# KiCad board gateway-module.kicad_pcb
title: Communications Module; date: 2017-01-31; rev: 1.0; company: Institute IRNAS Rače
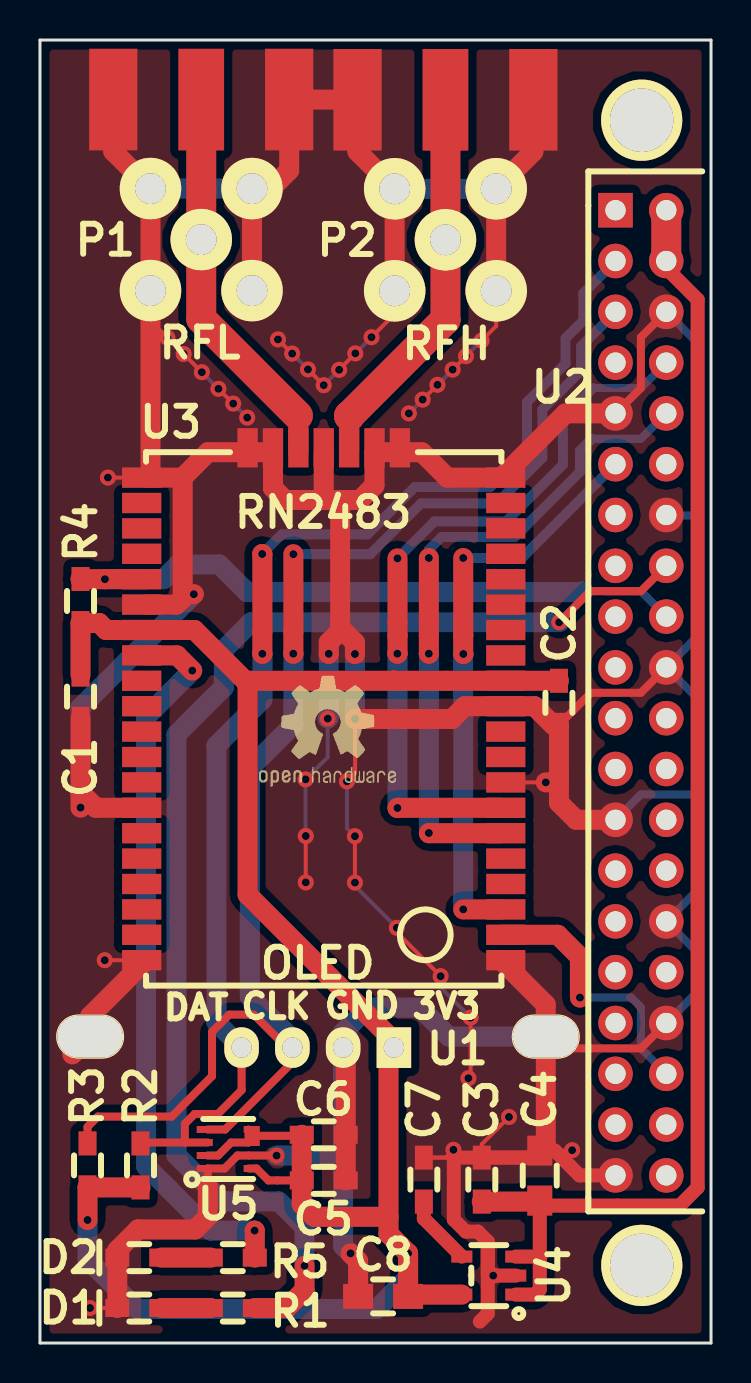
[diagram p0: board, top side]
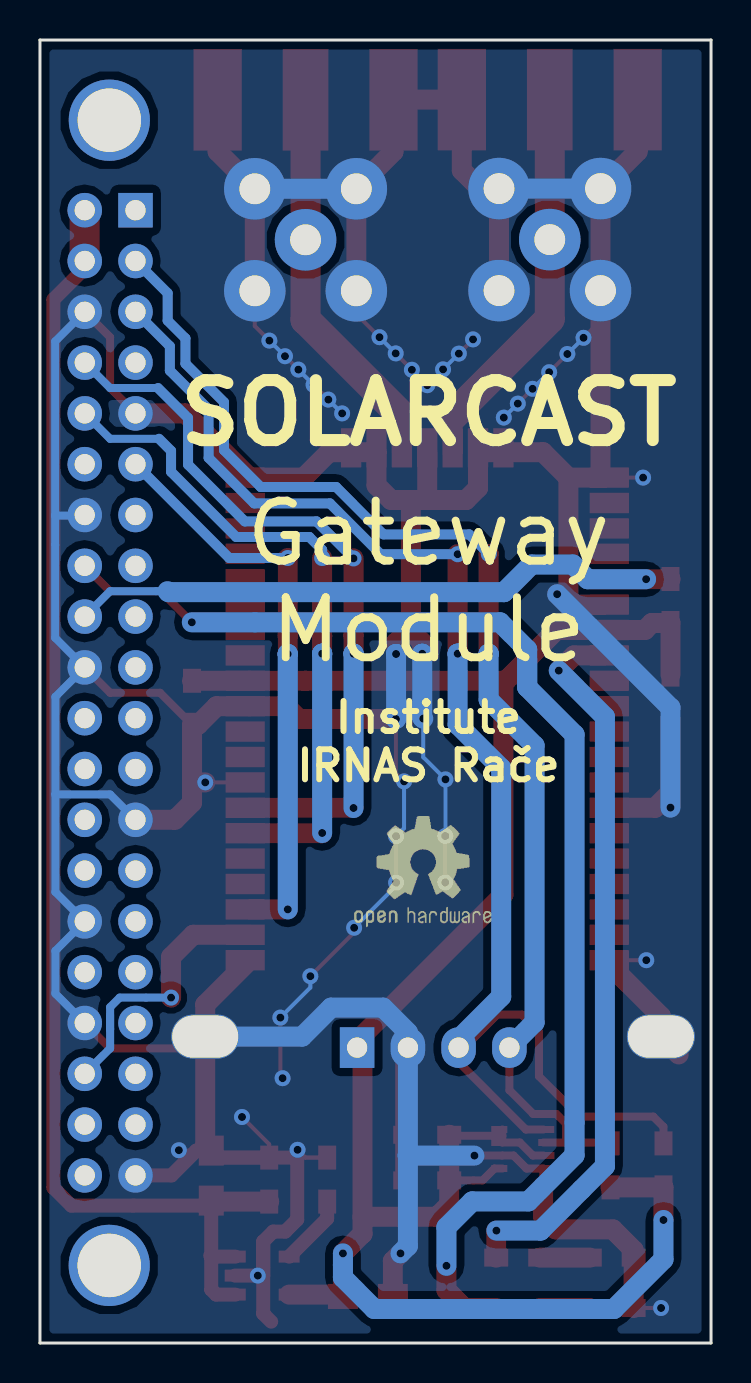
[diagram p1: board, bottom side, seen from below]

Outline 33.58 x 65.15 mm; copper layers: Top, Bottom. Coordinates in mm from the lower left corner of the outline.
Outline path: 0,65.15 33.58,65.15 33.58,0 0,0 0,65.15

## Placement (name value [footprint] x y rotation side)
C1  100nF  [0603_HandSoldering]  2.03 32.32 270 top
C2  100nF  [0603_HandSoldering]  25.97 32.01 270 top
C3  100nF  [0603_HandSoldering]  22.11 8.17 90 top
C4  10uF  [0805_HandSoldering]  25.01 8.37 90 top
C5  100nF  [0603_HandSoldering]  14.2 8.13 180 top
C6  100nF  [0603_HandSoldering]  14.2 10.41 180 top
C7  10nF  [0603_HandSoldering]  19.21 8.17 90 top
C8  10uF  [0805_HandSoldering]  17.17 2.33 180 top
D1  LED  [LED_0603_HandSoldering]  4.97 1.75 0 top
D2  LED  [LED_0603_HandSoldering]  4.97 4.27 0 top
G***  LOGO  [OSHWLOGO0.3IN]  10.58 34.3 0 top
G***#2  LOGO  [OSHWLOGO0.3IN]  18.23 27.29 180 bottom
P1  SMA  [SMA_coax]  8.07 64.67 0 top
P2  SMA  [SMA_coax]  20.29 64.66 0 top
R1  1K  [0603_HandSoldering]  9.65 1.75 0 top
R2  10K  [0603_HandSoldering]  5.03 8.88 90 top
R3  10K  [0603_HandSoldering]  2.38 8.88 90 top
R4  10K  [0603_HandSoldering]  2.03 37.1 90 top
R5  1K  [0603_HandSoldering]  9.65 4.27 0 top
U1  small_i2c_oled  [Small_I2C_OLED]  13.91 13.17 180 top
U2  -  [RaspberryPi]  31.34 8.38 0 top
U3  -  [RN2483]  5.31 17.87 0 top
U4  -  [TPS79133]  23.81 3.37 90 top
U5  -  [BME280]  10.67 10.95 180 top

## Footprints (pads in the part's own frame, mm; a bottom-side part is the same pattern mirrored in y, then rotated)
0603_HandSoldering
  rect 1.2x0.9 smd: 1(-1.1,0) 2(1.1,0)
0805_HandSoldering
  rect 1.5x1.25 smd: 1(-1.25,0) 2(1.25,0)
BME280
  rect 0.8x0.35 smd: 1(2.275,2.225) 2(2.275,1.575) 3(2.275,0.925) 4(2.275,0.275) 5(0.225,0.275) 6(0.225,0.925) 7(0.225,1.575) 8(0.225,2.225)
LED_0603_HandSoldering
  rect 1.2x0.9 smd: 1(-1.1,0) 2(1.1,0)
RaspberryPi
  round 4.064 hole 3.175: (-1.23,52.76) (-1.225,-4.5)
  rect 1.727x1.727 hole 1.016: 1(-2.54,48.26)
  oval 1.727x1.727 hole 1.016: 2(0,48.26) 3(-2.54,45.72) 4(0,45.72) 5(-2.54,43.18) 6(0,43.18) 7(-2.54,40.64) 8(0,40.64) 9(-2.54,38.1) 10(0,38.1) 11(-2.54,35.56) 12(0,35.56) 13(-2.54,33.02) 14(0,33.02) 15(-2.54,30.48) 16(0,30.48) 17(-2.54,27.94) 18(0,27.94) 19(-2.54,25.4) 20(0,25.4) 21(-2.54,22.86) 22(0,22.86) 23(-2.54,20.32) 24(0,20.32) 25(-2.54,17.78) 26(0,17.78) 27(-2.54,15.24) 28(0,15.24) 29(-2.54,12.7) 30(0,12.7) 31(-2.54,10.16) 32(0,10.16) 33(-2.54,7.62) 34(0,7.62) 35(-2.54,5.08) 36(0,5.08) 37(-2.54,2.54) 38(0,2.54) 39(-2.54,0) 40(0,0)
RN2483
  rect 1.962x1.016 smd: 1(17.78,1.27) 2(17.78,2.54) 3(17.78,3.81) 4(17.78,5.08) 5(17.78,6.35) 6(17.78,7.62) 7(17.78,8.89) 8(17.78,10.16) 9(17.78,11.43) 10(17.78,12.7) 11(17.78,13.97) 12(17.78,15.24) 13(17.78,16.51) 14(17.78,17.78) 15(17.78,19.05) 16(17.78,20.32) 17(17.78,21.59) 18(17.78,22.86) 19(17.78,24.13) 20(17.78,25.4) 28(0,25.4) 29(0,24.13) 30(0,22.86) 31(0,21.59) 32(0,20.32) 33(0,19.05) 34(0,17.78) 35(0,16.51) 36(0,15.24) 37(0,13.97) 38(0,12.7) 39(0,11.43) 40(0,10.16) 41(0,8.89) 42(0,7.62) 43(0,6.35) 44(0,5.08) 45(0,3.81) 46(0,2.54) 47(0,1.27)
  rect 1.016x1.962 smd: 21(12.7,26.67) 22(11.43,26.67) 23(10.16,26.67) 24(8.89,26.67) 25(7.62,26.67) 26(6.35,26.67) 27(5.08,26.67)
SMA_coax
  rect 2.286x5.08 smd: 1(0,-2.5)
  round 3.08 hole 1.54: 1(0,-9.5) 2(-2.54,-6.95) 2(-2.54,-12.05) 2(2.54,-6.95) 2(2.54,-12.05)
  rect 2.413x5.08 smd: 2(-4.4,-2.5) 2(4.4,-2.5)
Small_I2C_OLED
  rect 1.727x2.032 hole 1.016: 1(-3.8,-1.6)
  oval 3.4x2.2 hole 3.3x2.1: 2(-11.4,-2.15) 2(11.4,-2.15)
  oval 1.727x2.032 hole 1.016: 2(-1.26,-1.6) 3(1.28,-1.6) 4(3.82,-1.6)
TPS79133
  rect 0.6x1.05 smd: 1(-0.95,0) 2(0,0) 3(0.95,0) 4(0.95,2.7) 5(-0.95,2.7)

## Nets
+3V3: C1.1 C2.1 C5.2 C6.2 C8.1 R2.1 R3.1 R4.1 U1.1 U3.12 U3.34 U4.5 U5.2 U5.5 U5.6 U5.8
+5V: C3.1 C4.1 U2.2 U2.4 U4.1 U4.3
GND: C1.2 C2.2 C3.2 C4.2 C5.1 C6.1 C7.2 C8.2 D1.1 D2.1 P1.2 P2.2 U1.2 U2.6 U2.9 U2.14 U2.20 U2.25 U2.30 U2.34 U2.39 U3.1 U3.8 U3.11 U3.20 U3.21 U3.22 U3.24 U3.26 U3.27 U3.28 U3.33 U3.41 U3.47 U4.2 U5.1 U5.7
RESET: R4.2 U2.18 U3.32
RN_STATUS_LED: R5.2 U3.35
RPI_STATUS_LED: R1.2 U2.16
TWI-SCL: R3.2 U1.3 U2.5 U5.4
TWI-SDA: R2.2 U1.4 U2.3 U5.3
UART_CTS: U2.36 U3.2
UART_RTS: U2.11 U3.3
UART_RX: U2.10 U3.6
UART_TX: U2.8 U3.7
Net-(C7-Pad1): C7.1 U4.4
Net-(D1-Pad2): D1.2 R1.1
Net-(D2-Pad2): D2.2 R5.1
Net-(P1-Pad1): P1.1 U3.25
Net-(P2-Pad1): P2.1 U3.23
Net-(U2-Pad1): U2.1
Net-(U2-Pad7): U2.7
Net-(U2-Pad12): U2.12
Net-(U2-Pad13): U2.13
Net-(U2-Pad15): U2.15
Net-(U2-Pad17): U2.17
Net-(U2-Pad19): U2.19
Net-(U2-Pad21): U2.21
Net-(U2-Pad22): U2.22
Net-(U2-Pad23): U2.23
Net-(U2-Pad24): U2.24
Net-(U2-Pad26): U2.26
Net-(U2-Pad27): U2.27
Net-(U2-Pad28): U2.28
Net-(U2-Pad29): U2.29
Net-(U2-Pad31): U2.31
Net-(U2-Pad32): U2.32
Net-(U2-Pad33): U2.33
Net-(U2-Pad35): U2.35
Net-(U2-Pad37): U2.37
Net-(U2-Pad38): U2.38
Net-(U2-Pad40): U2.40
Net-(U3-Pad4): U3.4
Net-(U3-Pad5): U3.5
Net-(U3-Pad9): U3.9
Net-(U3-Pad10): U3.10
Net-(U3-Pad13): U3.13
Net-(U3-Pad14): U3.14
Net-(U3-Pad15): U3.15
Net-(U3-Pad16): U3.16
Net-(U3-Pad17): U3.17
Net-(U3-Pad18): U3.18
Net-(U3-Pad19): U3.19
Net-(U3-Pad29): U3.29
Net-(U3-Pad30): U3.30
Net-(U3-Pad31): U3.31
Net-(U3-Pad36): U3.36
Net-(U3-Pad37): U3.37
Net-(U3-Pad38): U3.38
Net-(U3-Pad39): U3.39
Net-(U3-Pad40): U3.40
Net-(U3-Pad42): U3.42
Net-(U3-Pad43): U3.43
Net-(U3-Pad44): U3.44
Net-(U3-Pad45): U3.45
Net-(U3-Pad46): U3.46

## Via types
v1: diameter 0.8, hole 0.4, Top to Bottom, 66 vias

## Routing (per net, layer and track width the routed paths; a pad name or vN(x,y) marks a point on that pad's centre or on a via; arc(x,y) is an arc through that point)
+3V3: length 111.8
  Top w0.4: C5.2 11.43,8.13 10.83,8.73 10.44,8.73 ; 10.44,10.36 10.44,10.03 9.56,10.03 8.91,9.38 U5.2 ; 10.44,10.36 13.05,10.36 C6.2 ; 10.44,10.36 U5.5
  Top w0.7: 20.31,33.11 U3.12
  Top w1: 17.51,14.57 U1.1 ; U1.1 17.71,15.1 10.39,22.42 10.39,33.11 ; U1.1 17.44,14.5 17.44,6.31 ; C8.1 18.51,2.42 U4.5 ; C8.1 v1(18.42,4.48) ; C8.1 v1(18.42,4.48) ; 17.44,6.31 13.72,6.31 13.1,6.93 C5.2 C6.2 ; 17.44,6.31 17.44,5.46 v1(18.42,4.48) ; 17.71,33.11 17.71,33.12 17.71,33.11 ; 17.71,33.11 10.39,33.11 ; 17.71,33.11 U3.12 C2.1 ; 10.39,33.11 10.27,33.11 7.73,35.65 U3.34 3.31,35.65 2.96,36 R4.1 C1.1 ; v1(2.38,6.15) R3.1 R2.1
  Bottom w1: v1(18.42,4.48) 18.42,3.27 16.85,1.7 4.86,1.7 2.38,4.18 v1(2.38,6.15)
+5V: length 67.8
  Top w0.5: U2.4 31.34,53.74
  Top w0.7: 31.34,53.74 32.91,52.17 32.91,7.77 32.01,6.87 25.26,6.87 C4.1 25.01,2.67 24.76,2.42 U4.1 ; 25.06,4.37 25.01,4.32 U4.3
  Top w1: C4.1 24.96,7.07 C3.1
  Top w1.5: U2.2 U2.4
GND: length 387.4
  Top w0.2: v1(22.1,50.12) 22.83,50.85 P2.2 ; v1(16.59,50.29) 17.75,51.45 P2.2 ; v1(14.97,48.66) 14.97,48.67 v1(15.78,49.48) ; v1(6.38,50.26) 5.53,51.11 P1.2 ; 22.41,3.37 v1(22.68,3.37) U4.2 ; v1(20.69,9.66) 20.3,9.27 C7.2 20.71,9.27 ; v1(26.63,9.64) 26.61,9.62 C4.2 ; v1(23.47,11.3) 22.11,9.94 C3.2 ; v1(15.36,28.08) 15.77,28.49 v1(15.77,31.2) ; v1(20.05,18.34) 17.86,20.53 v1(17.86,20.76) ; v1(21.44,13.24) 21.55,13.35 v1(21.55,16.27) ; v1(11.91,50.18) v1(12.62,49.47) ; v1(13.41,48.68) v1(14.2,47.89) ; v1(9.67,46.97) v1(8.93,47.71) ; D1.1 v1(2.5,1.75) ; v1(8.1,48.54) v1(7.19,49.45) ; v1(13.3,23.03) v1(13.3,25.35) ; v1(15.76,23.02) v1(15.76,25.34) ; v1(20.65,48.67) v1(21.32,49.34) ; v1(19.15,47.17) v1(19.89,47.91) ; U3.47 v1(3.24,19.14) ; U3.8 v1(25.31,28.03) ; U3.28 v1(3.4,43.27)
  Top w0.4: U1.2 25.9,14.73 30.07,14.73 U2.34 ; v1(11.84,9.37) 11.83,9.38 U5.7 9.88,9.38 9.23,8.73 8.39,8.73 8.39,7.84 8.4,7.84 ; U2.20 30.07,32.51 27.57,32.51 C2.2 ; U2.9 30.07,47.75 30.07,50.29 U2.6
  Top w0.7: 22.41,5.07 22.41,1.47 22.01,1.07 ; 22.41,5.07 21.91,5.57 21.31,5.57 20.71,6.17 20.71,9.27 C3.2 ; 22.41,5.07 22.41,3.37 U4.2 ; U2.39 27,8.38 25.76,9.62 C4.2 24.66,9.27 ; 24.66,9.27 C3.2 ; 24.66,9.27 C3.2
  Top w1: P2.2 24.69,59.57 P2.2 P2.2 ; P1.2 3.67,59.58 P1.2 P1.2 5.53,43.49 U3.28 7.14,43.27 ; 7.14,43.27 8.41,44.54 U3.27 U3.26 11.66,42.75 12.26,42.15 14.2,42.15 ; 7.14,43.27 7.14,37.23 ; 14.2,42.15 15.02,42.15 ; 14.2,42.15 U3.24 ; 15.02,42.15 16.01,42.15 16.74,42.88 U3.22 U3.21 19.11,44.54 20.38,43.27 U3.20 26.3,46.48 U2.9 ; 15.02,42.15 15.02,35.6 ; U1.2 15.3,14.64 C6.1 C5.1 ; C8.2 15.92,4.1 v1(15.54,4.48) ; 2.03,27.53 2.8,26.76 U3.41 ; 2.03,27.53 v1(2.03,26.77) ; 2.03,27.53 C1.2 ; 1.62,14.43 U1.2 2.51,16.34 U3.47 ; 8.4,7.84 8.4,6.31 7.77,5.68 4.91,5.68 3.87,4.64 D2.1 D1.1 ; 7.14,37.23 6.83,36.92 U3.33 ; 7.14,37.23 7.35,37.44 v1(7.7,37.44) ; 25.97,28.22 25.97,27.02 26.83,26.16 U2.25 ; 25.97,28.22 25.78,28.03 v1(25.31,28.03) ; 25.97,28.22 C2.2 25.67,30.91 24.74,31.84 U3.11 21.26,31.84 20.62,31.2 v1(15.77,31.2) ; 15.02,35.6 14.45,35.03 v1(14.45,34.46) ; 15.02,35.6 15.19,35.6 15.76,35.03 v1(15.76,34.45) ; U3.1 25.31,16.92 U1.2 25.31,9.92 C4.2 ; P2.2 P2.2 15.89,59.57 P2.2 15.88,62.17 P1.2 12.47,58.63 11.56,57.72 P1.2 P1.2
  Bottom w0.2: v1(3.4,43.27) 3.4,43.26 ; v1(25.31,28.03) 25.31,28.04 ; v1(20.69,9.66) 20.72,9.63 20.72,9.62 ; v1(13.3,25.35) 13.29,25.36 v1(13.29,28.18) 14.4,29.29 v1(14.4,31.22) ; v1(15.76,25.34) 15.36,25.74 v1(15.36,28.08) ; v1(17.86,20.76) 15.76,22.86 v1(15.76,23.02) ; v1(21.55,16.27) 20.05,17.77 v1(20.05,18.34) ; v1(18.46,46.48) v1(19.15,47.17) ; v1(15.78,49.48) v1(16.59,50.29) ; v1(12.62,49.47) v1(13.41,48.68) ; v1(8.93,47.71) v1(8.1,48.54) ; v1(7.19,49.45) v1(6.38,50.26) ; v1(10.37,46.27) v1(9.67,46.97) ; v1(14.2,47.89) v1(14.97,48.66) ; v1(19.89,47.91) v1(20.65,48.67) ; v1(21.32,49.34) v1(22.1,50.12)
  Bottom w0.4: U2.34 32.81,17.47 32.81,19.61 U2.30 32.81,22.55 32.81,27.43 ; 32.81,27.43 32.81,32.31 U2.20 32.82,35.26 32.82,41.37 ; 32.81,27.43 30.07,27.43 U2.25 ; 32.82,41.37 32.82,50.08 U2.6 ; 32.82,41.37 31.37,41.37 U2.14
  Bottom w1: U1.2 20.46,15.32 19.01,16.77 16.41,16.77 15.17,15.53 U1.2 15.17,9.37 ; v1(15.54,4.48) 15.17,4.85 15.17,9.37 ; 15.17,9.37 15.18,9.37 15.17,9.37 ; 15.17,9.37 v1(11.84,9.37) ; v1(7.7,37.44) 2.03,31.77 v1(2.03,26.77) ; v1(15.77,31.2) 15.76,31.21 v1(15.76,34.45) ; v1(14.4,31.22) 14.45,31.27 v1(14.45,34.46) ; P2.2 P2.2 ; P1.2 P1.2
RESET: length 32.8
  Top w1: R4.2 2.04,38.19 v1(3.25,38.19) U3.32
  Bottom w0.4: v1(3.25,38.19) 3.25,38.18 ; 27.2,37.59 30.07,37.59 U2.18
  Bottom w1: 27.2,37.59 27.15,37.54 10.36,37.54 8.98,38.92 6.91,38.92 6.18,38.19 v1(3.25,38.19)
RN_STATUS_LED: length 36.5
  Top w1: v1(7.62,33.62) 6.86,34.38 U3.35 ; v1(10.74,5.62) 10.75,5.61 R5.2
  Bottom w1: v1(10.74,5.62) 8.53,5.62 5.31,8.84 5.31,31.31 v1(7.62,33.62)
RPI_STATUS_LED: length 67.2
  Top w0.4: 30.07,37.59 28.28,37.59 ; 30.07,37.59 27.54,37.59 v1(25.98,36.03) ; 30.07,37.59 U2.16
  Top w1: v1(13.24,3.86) 13.24,2.65 12.34,1.75 R1.2
  Bottom w1: 9.2,32.79 6.83,30.42 6.83,9.39 9.14,7.08 11.95,7.08 13.24,5.79 v1(13.24,3.86) ; 9.2,32.79 9.2,34.18 ; 9.2,32.79 9.2,34.68 10.56,36.03 v1(25.98,36.03)
TWI-SCL: length 71.5
  Top w0.4: R3.2 2.38,10.81 2.89,11.32 6.59,11.32 8.61,13.34 8.61,15.56 9.47,16.42 10.7,16.42 12.35,14.77 U1.3 12.63,14.04 9.26,10.68 U5.4
  Top w1: v1(12.68,34.47) 12.68,34.47 v1(12.68,39.44)
  Bottom w0.5: U2.5 27.08,49.84 27.08,48.62 25.14,46.68 25.14,44.26 22.86,41.98 19.07,41.98 16.53,39.44 v1(12.68,39.44)
  Bottom w1: 12.68,34.47 12.68,30.92 10.5,28.74 10.5,17.32 12.63,15.19 U1.3 ; 12.68,34.47 v1(12.68,34.47) ; 12.68,34.47 v1(12.68,34.47) ; 12.68,34.47 v1(12.68,34.47)
TWI-SDA: length 62.9
  Top w0.4: R2.2 5.07,10.03 7.25,10.03 ; 7.25,10.03 7.25,10.06 7.25,10.03 ; 7.25,10.03 7.25,10.96 7.74,11.45 8.9,11.45 10.09,12.64 U1.4 ; 7.25,10.03 8.39,10.03
  Top w1: v1(11.12,39.45) 11.13,39.44 11.13,34.46 v1(11.13,34.46)
  Bottom w0.5: U2.3 27.19,52.49 27.19,51.12 26.3,50.23 26.3,48.97 24.37,47.04 24.37,44.64 22.53,42.8 18.76,42.8 16.39,40.43 12.1,40.43 v1(11.12,39.45)
  Bottom w1: U1.4 8.83,16.03 8.83,29.87 11.13,32.17 11.13,34.46 ; 11.13,34.46 v1(11.13,34.46) ; 11.13,34.46 v1(11.13,34.46) ; 11.13,34.46 v1(11.13,34.46)
UART_CTS: length 14.2
  Top w1: v1(27.02,17.27) 27.02,19.3 25.91,20.41 U3.2
  Bottom w0.4: 30.07,15.69 30.07,14.73 U2.36 ; 30.07,15.69 30.07,16.39 ; 30.07,15.69 30.07,16.79 29.59,17.27 v1(27.02,17.27)
UART_RTS: length 29.1
  Top w1: 21.18,35.38 21.18,35.38 ; 21.18,35.38 v1(21.18,39.25) ; 21.18,35.38 21.18,34.46 v1(21.19,34.45) ; U3.3 v1(21.18,21.68)
  Bottom w0.5: U2.11 24.11,39.25 v1(21.18,39.25)
  Bottom w1: v1(21.19,34.45) 21.18,34.45 ; v1(21.19,34.45) 21.18,34.45 ; v1(21.19,34.45) 21.18,34.45 ; 21.18,34.45 v1(21.18,21.68)
UART_RX: length 33.1
  Top w1: v1(19.46,25.5) 19.47,25.49 U3.6 ; 19.46,35.37 19.46,35.37 ; 19.46,35.37 19.46,34.47 v1(19.46,34.47) ; 19.46,35.37 v1(19.46,39.25)
  Bottom w0.4: 27.62,45.21 30.07,45.21 U2.10
  Bottom w0.5: 27.62,45.21 27.02,44.61 27.02,43.56 23.76,40.3 20.1,40.3 19.46,39.66 v1(19.46,39.25)
  Bottom w1: v1(19.46,34.47) 19.46,34.47 ; v1(19.46,34.47) 19.46,34.47 ; v1(19.46,34.47) 19.46,34.47 ; 19.46,34.47 v1(19.46,25.5)
UART_TX: length 37.7
  Top w1: v1(17.89,26.75) 17.9,26.76 U3.7 ; v1(17.88,34.47) 17.89,34.47 v1(17.89,39.23)
  Bottom w0.4: 26.88,46.96 27.67,47.75 30.07,47.75 U2.8
  Bottom w0.5: 27.67,47.75 26.17,46.25 26.17,43.92 23.33,41.08 19.74,41.08 v1(17.89,39.23)
  Bottom w1: v1(17.88,34.47) 17.89,34.47 ; v1(17.88,34.47) 17.89,34.47 ; v1(17.88,34.47) 17.89,34.47 ; 17.89,34.47 v1(17.89,26.75)
Net-(C7-Pad1): length 3.5
  Top w0.7: U4.4 19.21,6.22 C7.1
Net-(D1-Pad2): length 2.5
  Top w1: D1.2 R1.1
Net-(D2-Pad2): length 2.5
  Top w1: D2.2 R5.1
Net-(P1-Pad1): length 19.6
  Top w1: 12.91,46.37 12.93,46.35 U3.25
  Top w1.5: P1.1 P1.1 8.07,51.21 12.91,46.37
Net-(P2-Pad1): length 19.7
  Top w1: U3.23 15.47,46.37
  Top w1.5: 20.29,51.17 20.29,51.15 ; 20.29,51.17 15.47,46.35 15.49,46.35 15.51,46.37 15.47,46.37 ; 20.29,51.17 P2.1 P2.1

## Copper pours and planes (outline as drawn; the poured copper is in the pictures)
GND on Top: 0,65.15 33.58,65.15 33.57,0.01 0,0.01
GND on Bottom: 0,65.15 33.58,65.15 33.58,0 0,0

## Text on the board
B.SilkS: Institute / IRNAS Rače | Gateway / Module | SOLARCAST
F.SilkS: DAT | CLK | GND | 3V3 | RFL | RFH
